# Altium PCB FMC_HPC_TO_LPC_BREAKOUT.PcbDoc (part 1 of 3) (continued)
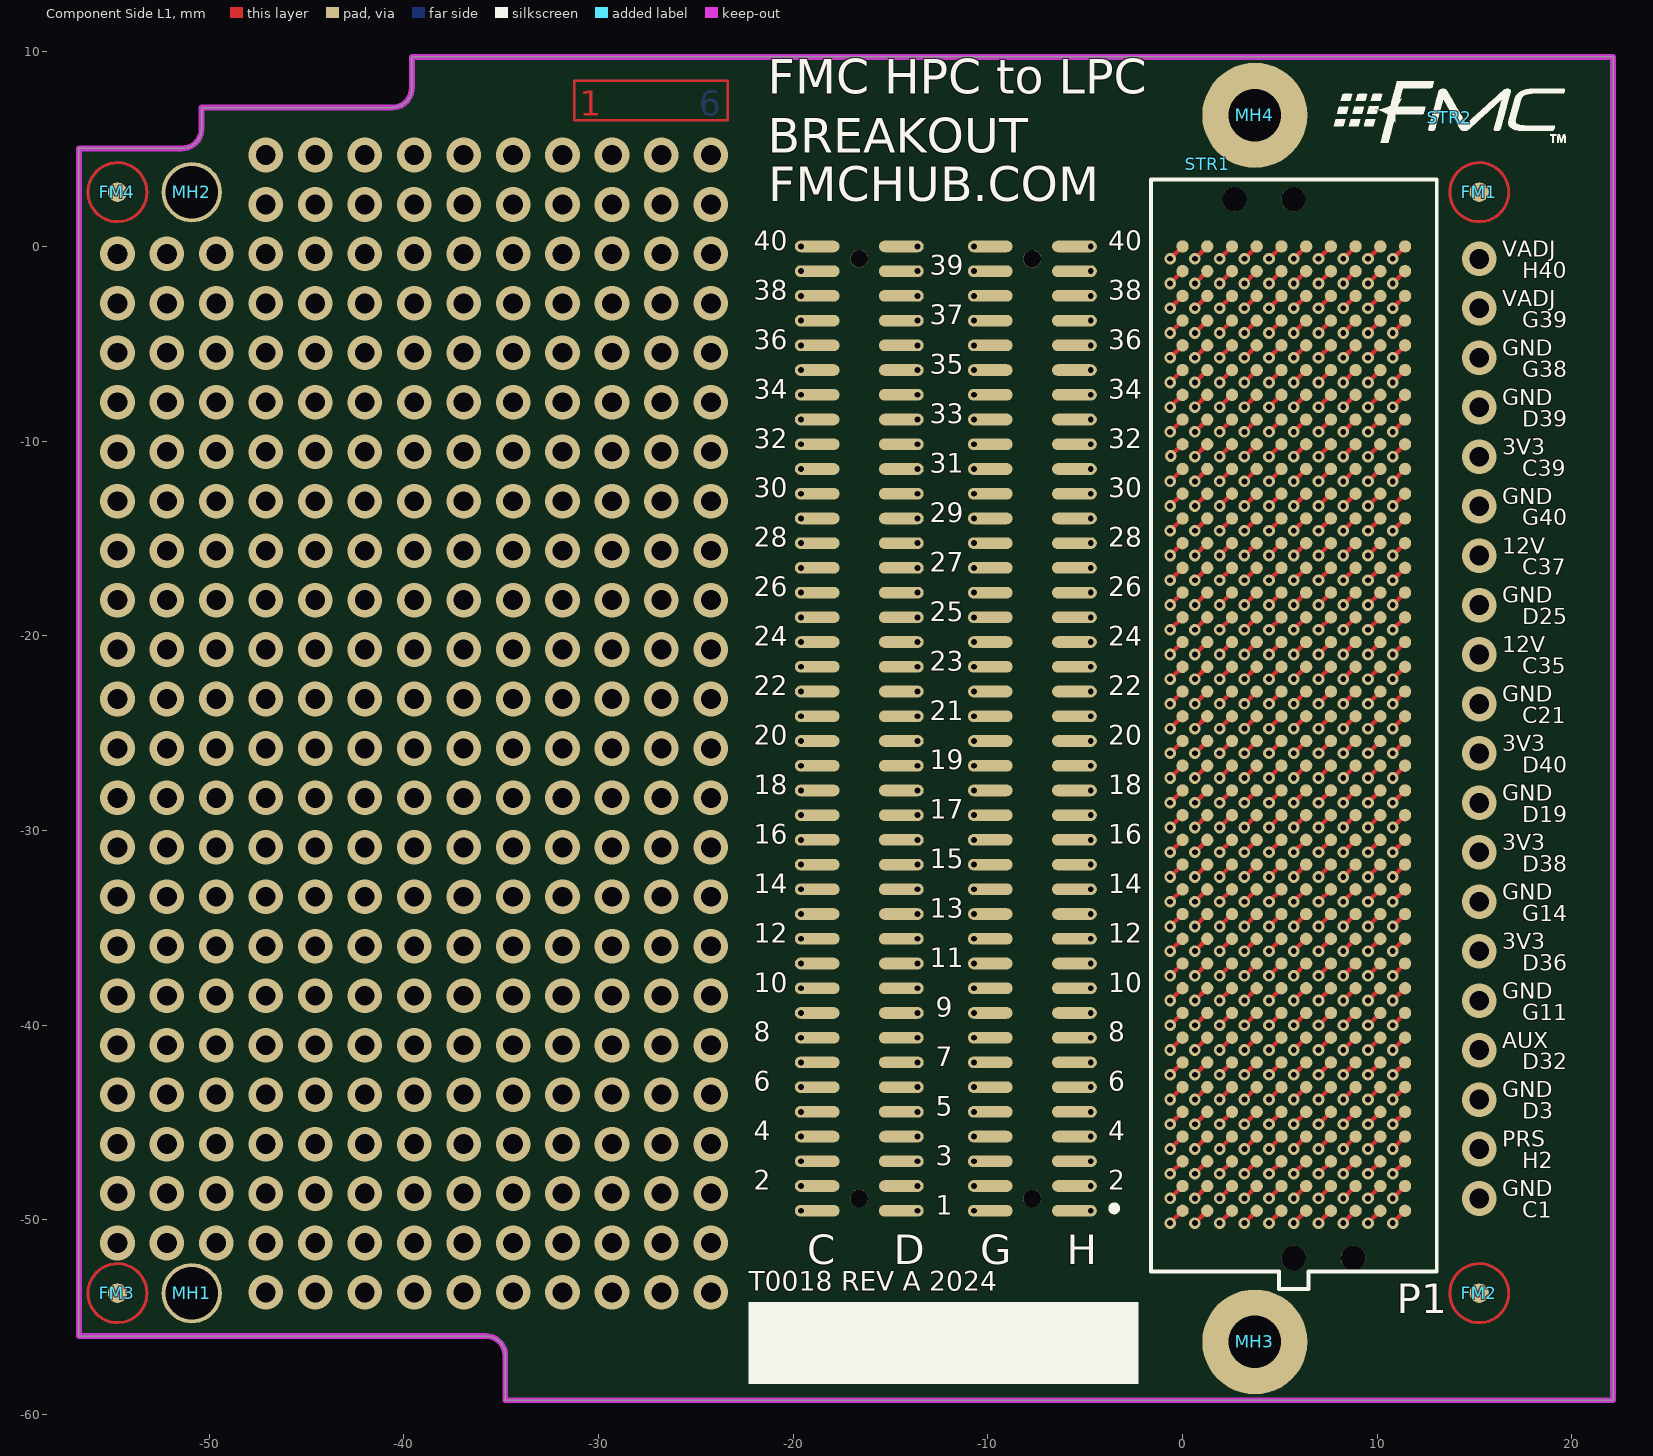
[diagram p0: Component Side L1 view]
## Components (designator, comment, footprint, x,y, rotation, side; value= is the part's Value field where it differs from the comment)
FM1 "1mm" FIDUCIAL_MARK_ROUND_RING 15.24,2.785 r0 top
FM2 "1mm" FIDUCIAL_MARK_ROUND_RING 15.24,-53.765 r0 top
FM3 "1mm" FIDUCIAL_MARK_ROUND_RING -54.705,-53.765 r0 top
FM4 "1mm" FIDUCIAL_MARK_ROUND_RING -54.705,2.785 r0 top
FM5 "1mm" FIDUCIAL_MARK_ROUND_RING 15.24,2.785 r180 bottom
FM6 "1mm" FIDUCIAL_MARK_ROUND_RING 15.24,-53.765 r180 bottom
FM7 "1mm" FIDUCIAL_MARK_ROUND_RING -54.705,-53.765 r180 bottom
FM8 "1mm" FIDUCIAL_MARK_ROUND_RING -54.705,2.785 r180 bottom
MH1 "2.7mm" "Mounting_Hole_Plated_2.7mm - d3.1mm" -50.885,-53.765 r0 top
MH2 "2.7mm" "Mounting_Hole_Plated_2.7mm - d3.1mm" -50.885,2.785 r0 top
MH3 "2.7mm" Mounting_Hole_Plated_2.7mm-COVERED 3.715,-56.265 r0 top
MH4 "2.7mm" Mounting_Hole_Plated_2.7mm-COVERED 3.715,6.735 r0 top
P1 "MC-HPC-10" ASP-134488-01 5.715,-24.765 r270 top locked
P2 "CC-HPC-10" ASP-134486-01 5.715,-24.765 r270 bottom locked
P3 "1.27mm SMT pin header" FTS-140-01-L-DV-A_NO_PASTE -16.605,-24.765 r90 bottom
P4 "1.27mm SMT pin header" FTS-140-01-L-DV-A_NO_PASTE -7.715,-24.765 r90 bottom
STR1 "IAM LOGO" "IAM LOGO - MEDIUM" 1.295,4.21 r0 top
STR2 "FMC Logo" FMC_TM_LOGO_SMALL 13.716,6.604 r0 top
STR3 "FMC Logo" FMC_TM_LOGO_SMALL 13.716,6.604 r180 bottom

## Footprints (in the part's own frame and the unit in brackets; to place one, negate y for a bottom-side part, rotate by r counter-clockwise, add the part's x,y. Pads: shape width x height; smd on the part's side, far side on the other; paste and mask are expansions set on the pad)
ASP-134486-01 [mil] "CC-HPC-10, 1.27mm PITCH SOCKET ARRAY ASSEMBLY, FEMALE, VITA 57 CONNECTOR"
  round 25 smd paste+5 mask+2.01: A1(975,-225) A2(925,-225) A3(875,-225) A4(825,-225) A5(775,-225) A6(725,-225) A7(675,-225) A8(625,-225) A9(575,-225) A10(525,-225) A11(475,-225) A12(425,-225) A13(375,-225) A14(325,-225) A15(275,-225) A16(225,-225) A17(175,-225) A18(125,-225) A19(75,-225) A20(25,-225) A21(-25,-225) A22(-75,-225) A23(-125,-225) A24(-175,-225) A25(-225,-225) A26(-275,-225) A27(-325,-225) A28(-375,-225) A29(-425,-225) A30(-475,-225) A31(-525,-225) A32(-575,-225) A33(-625,-225) A34(-675,-225) A35(-725,-225) A36(-775,-225) A37(-825,-225) A38(-875,-225) A39(-925,-225) A40(-975,-225) B1(975,-175) B2(925,-175) B3(875,-175) B4(825,-175) B5(775,-175) B6(725,-175) B7(675,-175) B8(625,-175) B9(575,-175) B10(525,-175) B11(475,-175) B12(425,-175) B13(375,-175) B14(325,-175) B15(275,-175) B16(225,-175) B17(175,-175) B18(125,-175) B19(75,-175) B20(25,-175) B21(-25,-175) B22(-75,-175) B23(-125,-175) B24(-175,-175) B25(-225,-175) B26(-275,-175) B27(-325,-175) B28(-375,-175) B29(-425,-175) B30(-475,-175) B31(-525,-175) B32(-575,-175) B33(-625,-175) B34(-675,-175) B35(-725,-175) B36(-775,-175) B37(-825,-175) B38(-875,-175) B39(-925,-175) B40(-975,-175) E1(975,-25) E2(925,-25) E3(875,-25) E4(825,-25) E5(775,-25) E6(725,-25) E7(675,-25) E8(625,-25) E9(575,-25) E10(525,-25) E11(475,-25) E12(425,-25) E13(375,-25) E14(325,-25) E15(275,-25) E16(225,-25) E17(175,-25) E18(125,-25) E19(75,-25) E20(25,-25) E21(-25,-25) E22(-75,-25) E23(-125,-25) E24(-175,-25) E25(-225,-25) E26(-275,-25) E27(-325,-25) E28(-375,-25) E29(-425,-25) E30(-475,-25) E31(-525,-25) E32(-575,-25) E33(-625,-25) E34(-675,-25) E35(-725,-25) E36(-775,-25) E37(-825,-25) E38(-875,-25) E39(-925,-25) E40(-975,-25) F1(975,25) F2(925,25) F3(875,25) F4(825,25) F5(775,25) F6(725,25) F7(675,25) F8(625,25) F9(575,25) F10(525,25) F11(475,25) F12(425,25) F13(375,25) F14(325,25) F15(275,25) F16(225,25) F17(175,25) F18(125,25) F19(75,25) F20(25,25) F21(-25,25) F22(-75,25) F23(-125,25) F24(-175,25) F25(-225,25) F26(-275,25) F27(-325,25) F28(-375,25) F29(-425,25) F30(-475,25) F31(-525,25) F32(-575,25) F33(-625,25) F34(-675,25) F35(-725,25) F36(-775,25) F37(-825,25) F38(-875,25) F39(-925,25) F40(-975,25) J1(975,175) J2(925,175) J3(875,175) J4(825,175) J5(775,175) J6(725,175) J7(675,175) J8(625,175) J9(575,175) J10(525,175) J11(475,175) J12(425,175) J13(375,175) J14(325,175) J15(275,175) J16(225,175) J17(175,175) J18(125,175) J19(75,175) J20(25,175) J21(-25,175) J22(-75,175) J23(-125,175) J24(-175,175) J25(-225,175) J26(-275,175) J27(-325,175) J28(-375,175) J29(-425,175) J30(-475,175) J31(-525,175) J32(-575,175) J33(-625,175) J34(-675,175) J35(-725,175) J36(-775,175) J37(-825,175) J38(-875,175) J39(-925,175) J40(-975,175) K1(975,225) K2(925,225) K3(875,225) K4(825,225) K5(775,225) K6(725,225) K7(675,225) K8(625,225) K9(575,225) K10(525,225) K11(475,225) K12(425,225) K13(375,225) K14(325,225) K15(275,225) K16(225,225) K17(175,225) K18(125,225) K19(75,225) K20(25,225) K21(-25,225) K22(-75,225) K23(-125,225) K24(-175,225) K25(-225,225) K26(-275,225) K27(-325,225) K28(-375,225) K29(-425,225) K30(-475,225) K31(-525,225) K32(-575,225) K33(-625,225) K34(-675,225) K35(-725,225) K36(-775,225) K37(-825,225) K38(-875,225) K39(-925,225) K40(-975,225)
  round 25 smd paste+5 mask+2: C1(975,-125) C2(925,-125) C3(875,-125) C4(825,-125) C5(775,-125) C6(725,-125) C7(675,-125) C8(625,-125) C9(575,-125) C10(525,-125) C11(475,-125) C12(425,-125) C13(375,-125) C14(325,-125) C15(275,-125) C16(225,-125) C17(175,-125) C18(125,-125) C19(75,-125) C20(25,-125) C21(-25,-125) C22(-75,-125) C23(-125,-125) C24(-175,-125) C25(-225,-125) C26(-275,-125) C27(-325,-125) C28(-375,-125) C29(-425,-125) C30(-475,-125) C31(-525,-125) C32(-575,-125) C33(-625,-125) C34(-675,-125) C35(-725,-125) C36(-775,-125) C37(-825,-125) C38(-875,-125) C39(-925,-125) C40(-975,-125) D1(975,-75) D2(925,-75) D3(875,-75) D4(825,-75) D5(775,-75) D6(725,-75) D7(675,-75) D8(625,-75) D9(575,-75) D10(525,-75) D11(475,-75) D12(425,-75) D13(375,-75) D14(325,-75) D15(275,-75) D16(225,-75) D17(175,-75) D18(125,-75) D19(75,-75) D20(25,-75) D21(-25,-75) D22(-75,-75) D23(-125,-75) D24(-175,-75) D25(-225,-75) D26(-275,-75) D27(-325,-75) D28(-375,-75) D29(-425,-75) D30(-475,-75) D31(-525,-75) D32(-575,-75) D33(-625,-75) D34(-675,-75) D35(-725,-75) D36(-775,-75) D37(-825,-75) D38(-875,-75) D39(-925,-75) D40(-975,-75) G1(975,75) G2(925,75) G3(875,75) G4(825,75) G5(775,75) G6(725,75) G7(675,75) G8(625,75) G9(575,75) G10(525,75) G11(475,75) G12(425,75) G13(375,75) G14(325,75) G15(275,75) G16(225,75) G17(175,75) G18(125,75) G19(75,75) G20(25,75) G21(-25,75) G22(-75,75) G23(-125,75) G24(-175,75) G25(-225,75) G26(-275,75) G27(-325,75) G28(-375,75) G29(-425,75) G30(-475,75) G31(-525,75) G32(-575,75) G33(-625,75) G34(-675,75) G35(-725,75) G36(-775,75) G37(-825,75) G38(-875,75) G39(-925,75) G40(-975,75) H1(975,125) H2(925,125) H3(875,125) H4(825,125) H5(775,125) H6(725,125) H7(675,125) H8(625,125) H9(575,125) H10(525,125) H11(475,125) H12(425,125) H13(375,125) H14(325,125) H15(275,125) H16(225,125) H17(175,125) H18(125,125) H19(75,125) H20(25,125) H21(-25,125) H22(-75,125) H23(-125,125) H24(-175,125) H25(-225,125) H26(-275,125) H27(-325,125) H28(-375,125) H29(-425,125) H30(-475,125) H31(-525,125) H32(-575,125) H33(-625,125) H34(-675,125) H35(-725,125) H36(-775,125) H37(-825,125) H38(-875,125) H39(-925,125) H40(-975,125)
  round 50 hole 50 unplated paste-99999 mask+0: MH1(-1070.5,0) MH2(1070.5,-120)
  silkscreen extent -1135,-260 1133,260, body extent -1131,-263 1131,260, height 259
ASP-134488-01 [mil] "MC-HPC-10, 1.27mm PITCH TERMINAL ARRAY ASSEMBLY, MALE, VITA 57 CONNECTOR"
  round 25 smd paste+5 mask+2.01: A1(975,225) A2(925,225) A3(875,225) A4(825,225) A5(775,225) A6(725,225) A7(675,225) A8(625,225) A9(575,225) A10(525,225) A11(475,225) A12(425,225) A13(375,225) A14(325,225) A15(275,225) A16(225,225) A17(175,225) A18(125,225) A19(75,225) A20(25,225) A21(-25,225) A22(-75,225) A23(-125,225) A24(-175,225) A25(-225,225) A26(-275,225) A27(-325,225) A28(-375,225) A29(-425,225) A30(-475,225) A31(-525,225) A32(-575,225) A33(-625,225) A34(-675,225) A35(-725,225) A36(-775,225) A37(-825,225) A38(-875,225) A39(-925,225) A40(-975,225) B1(975,175) B2(925,175) B3(875,175) B4(825,175) B5(775,175) B6(725,175) B7(675,175) B8(625,175) B9(575,175) B10(525,175) B11(475,175) B12(425,175) B13(375,175) B14(325,175) B15(275,175) B16(225,175) B17(175,175) B18(125,175) B19(75,175) B20(25,175) B21(-25,175) B22(-75,175) B23(-125,175) B24(-175,175) B25(-225,175) B26(-275,175) B27(-325,175) B28(-375,175) B29(-425,175) B30(-475,175) B31(-525,175) B32(-575,175) B33(-625,175) B34(-675,175) B35(-725,175) B36(-775,175) B37(-825,175) B38(-875,175) B39(-925,175) B40(-975,175) E1(975,25) E2(925,25) E3(875,25) E4(825,25) E5(775,25) E6(725,25) E7(675,25) E8(625,25) E9(575,25) E10(525,25) E11(475,25) E12(425,25) E13(375,25) E14(325,25) E15(275,25) E16(225,25) E17(175,25) E18(125,25) E19(75,25) E20(25,25) E21(-25,25) E22(-75,25) E23(-125,25) E24(-175,25) E25(-225,25) E26(-275,25) E27(-325,25) E28(-375,25) E29(-425,25) E30(-475,25) E31(-525,25) E32(-575,25) E33(-625,25) E34(-675,25) E35(-725,25) E36(-775,25) E37(-825,25) E38(-875,25) E39(-925,25) E40(-975,25) F1(975,-25) F2(925,-25) F3(875,-25) F4(825,-25) F5(775,-25) F6(725,-25) F7(675,-25) F8(625,-25) F9(575,-25) F10(525,-25) F11(475,-25) F12(425,-25) F13(375,-25) F14(325,-25) F15(275,-25) F16(225,-25) F17(175,-25) F18(125,-25) F19(75,-25) F20(25,-25) F21(-25,-25) F22(-75,-25) F23(-125,-25) F24(-175,-25) F25(-225,-25) F26(-275,-25) F27(-325,-25) F28(-375,-25) F29(-425,-25) F30(-475,-25) F31(-525,-25) F32(-575,-25) F33(-625,-25) F34(-675,-25) F35(-725,-25) F36(-775,-25) F37(-825,-25) F38(-875,-25) F39(-925,-25) F40(-975,-25) J1(975,-175) J2(925,-175) J3(875,-175) J4(825,-175) J5(775,-175) J6(725,-175) J7(675,-175) J8(625,-175) J9(575,-175) J10(525,-175) J11(475,-175) J12(425,-175) J13(375,-175) J14(325,-175) J15(275,-175) J16(225,-175) J17(175,-175) J18(125,-175) J19(75,-175) J20(25,-175) J21(-25,-175) J22(-75,-175) J23(-125,-175) J24(-175,-175) J25(-225,-175) J26(-275,-175) J27(-325,-175) J28(-375,-175) J29(-425,-175) J30(-475,-175) J31(-525,-175) J32(-575,-175) J33(-625,-175) J34(-675,-175) J35(-725,-175) J36(-775,-175) J37(-825,-175) J38(-875,-175) J39(-925,-175) J40(-975,-175) K1(975,-225) K2(925,-225) K3(875,-225) K4(825,-225) K5(775,-225) K6(725,-225) K7(675,-225) K8(625,-225) K9(575,-225) K10(525,-225) K11(475,-225) K12(425,-225) K13(375,-225) K14(325,-225) K15(275,-225) K16(225,-225) K17(175,-225) K18(125,-225) K19(75,-225) K20(25,-225) K21(-25,-225) K22(-75,-225) K23(-125,-225) K24(-175,-225) K25(-225,-225) K26(-275,-225) K27(-325,-225) K28(-375,-225) K29(-425,-225) K30(-475,-225) K31(-525,-225) K32(-575,-225) K33(-625,-225) K34(-675,-225) K35(-725,-225) K36(-775,-225) K37(-825,-225) K38(-875,-225) K39(-925,-225) K40(-975,-225)
  round 25 smd paste+5 mask+2: C1(975,125) C2(925,125) C3(875,125) C4(825,125) C5(775,125) C6(725,125) C7(675,125) C8(625,125) C9(575,125) C10(525,125) C11(475,125) C12(425,125) C13(375,125) C14(325,125) C15(275,125) C16(225,125) C17(175,125) C18(125,125) C19(75,125) C20(25,125) C21(-25,125) C22(-75,125) C23(-125,125) C24(-175,125) C25(-225,125) C26(-275,125) C27(-325,125) C28(-375,125) C29(-425,125) C30(-475,125) C31(-525,125) C32(-575,125) C33(-625,125) C34(-675,125) C35(-725,125) C36(-775,125) C37(-825,125) C38(-875,125) C39(-925,125) C40(-975,125) D1(975,75) D2(925,75) D3(875,75) D4(825,75) D5(775,75) D6(725,75) D7(675,75) D8(625,75) D9(575,75) D10(525,75) D11(475,75) D12(425,75) D13(375,75) D14(325,75) D15(275,75) D16(225,75) D17(175,75) D18(125,75) D19(75,75) D20(25,75) D21(-25,75) D22(-75,75) D23(-125,75) D24(-175,75) D25(-225,75) D26(-275,75) D27(-325,75) D28(-375,75) D29(-425,75) D30(-475,75) D31(-525,75) D32(-575,75) D33(-625,75) D34(-675,75) D35(-725,75) D36(-775,75) D37(-825,75) D38(-875,75) D39(-925,75) D40(-975,75) G1(975,-75) G2(925,-75) G3(875,-75) G4(825,-75) G5(775,-75) G6(725,-75) G7(675,-75) G8(625,-75) G9(575,-75) G10(525,-75) G11(475,-75) G12(425,-75) G13(375,-75) G14(325,-75) G15(275,-75) G16(225,-75) G17(175,-75) G18(125,-75) G19(75,-75) G20(25,-75) G21(-25,-75) G22(-75,-75) G23(-125,-75) G24(-175,-75) G25(-225,-75) G26(-275,-75) G27(-325,-75) G28(-375,-75) G29(-425,-75) G30(-475,-75) G31(-525,-75) G32(-575,-75) G33(-625,-75) G34(-675,-75) G35(-725,-75) G36(-775,-75) G37(-825,-75) G38(-875,-75) G39(-925,-75) G40(-975,-75) H1(975,-125) H2(925,-125) H3(875,-125) H4(825,-125) H5(775,-125) H6(725,-125) H7(675,-125) H8(625,-125) H9(575,-125) H10(525,-125) H11(475,-125) H12(425,-125) H13(375,-125) H14(325,-125) H15(275,-125) H16(225,-125) H17(175,-125) H18(125,-125) H19(75,-125) H20(25,-125) H21(-25,-125) H22(-75,-125) H23(-125,-125) H24(-175,-125) H25(-225,-125) H26(-275,-125) H27(-325,-125) H28(-375,-125) H29(-425,-125) H30(-475,-125) H31(-525,-125) H32(-575,-125) H33(-625,-125) H34(-675,-125) H35(-725,-125) H36(-775,-125) H37(-825,-125) H38(-875,-125) H39(-925,-125) H40(-975,-125)
  round 50 hole 50 unplated paste-99999 mask+0: MH1(1070.5,0) MH2(-1070.5,-120)
  silkscreen extent -1110,-289 1133,289, body extent -1098,-289 1133,289, height 281
FIDUCIAL_MARK_ROUND_RING [mm] "fiducial mark, round, 1 mm diameter, 3 mm keep-out and ring on top layer (6mil)"
  round 1 smd paste-1 mask+1.04: FD0(0,0)
  Component Side L1 circle w0.152: c0,0 r1.515
FMC_TM_LOGO_SMALL [mm] "VITA FMC logo, small, 12 mm x 3.2 mm"
  silkscreen extent -5.94,-1.27 5.97,1.88
FTS-140-01-L-DV-A_NO_PASTE [mm] "1.27 mm Micro Low Profile Terminal Strip, without solder paste expansion"
  oval 0.6x2.3 hole 0.3 copper offset 0,0.838 paste-2539.97: 1(-24.765,-3) 3(-23.495,-3) 5(-22.225,-3) 7(-20.955,-3) 9(-19.685,-3) 11(-18.415,-3) 13(-17.145,-3) 15(-15.875,-3) 17(-14.605,-3) 19(-13.335,-3) 21(-12.065,-3) 23(-10.795,-3) 25(-9.525,-3) 27(-8.255,-3) 29(-6.985,-3) 31(-5.715,-3) 33(-4.445,-3) 35(-3.175,-3) 37(-1.905,-3) 39(-0.635,-3) 41(0.635,-3) 43(1.905,-3) 45(3.175,-3) 47(4.445,-3) 49(5.715,-3) 51(6.985,-3) 53(8.255,-3) 55(9.525,-3) 57(10.795,-3) 59(12.065,-3) 61(13.335,-3) 63(14.605,-3) 65(15.875,-3) 67(17.145,-3) 69(18.415,-3) 71(19.685,-3) 73(20.955,-3) 75(22.225,-3) 77(23.495,-3) 79(24.765,-3)
  oval 0.6x2.3 hole 0.3 copper offset 0,-0.838 paste-2539.97: 2(-24.765,3) 4(-23.495,3) 6(-22.225,3) 8(-20.955,3) 10(-19.685,3) 12(-18.415,3) 14(-17.145,3) 16(-15.875,3) 18(-14.605,3) 20(-13.335,3) 22(-12.065,3) 24(-10.795,3) 26(-9.525,3) 28(-8.255,3) 30(-6.985,3) 32(-5.715,3) 34(-4.445,3) 36(-3.175,3) 38(-1.905,3) 40(-0.635,3) 42(0.635,3) 44(1.905,3) 46(3.175,3) 48(4.445,3) 50(5.715,3) 52(6.985,3) 54(8.255,3) 56(9.525,3) 58(10.795,3) 60(12.065,3) 62(13.335,3) 64(14.605,3) 66(15.875,3) 68(17.145,3) 70(18.415,3) 72(19.685,3) 74(20.955,3) 76(22.225,3) 78(23.495,3) 80(24.765,3)
  round 0.914 hole 0.914 unplated paste-2539.97 mask+0: 81(-24.13,0) 82(24.13,0)
  silkscreen extent -25.4,-1.65 25.4,1.65, body extent -25.4,-2.92 25.4,2.92, height 4.32
"IAM LOGO - MEDIUM" [mm] "IAM ELECTRONIC LOGO - 14.00mm x 6.75mm"
"Mounting_Hole_Plated_2.7mm - d3.1mm" [mm] "Mounting Hole, hole 2.7mm, diameter 3.1mm, Keepout R 3.2mm, plated"
  round 3.1 hole 2.7 mask+0: 0(0,0)
Mounting_Hole_Plated_2.7mm-COVERED [mm] "Mounting Hole, hole 2.7mm, diameter 5.4mm, Keepout R 2.9mm, plated, covered with solder mask"
  round 5.4 hole 2.7 mask+0.2: 0(0,0)

## Part data
FM1 FM2 FM3 FM4 FM5 FM6 FM7 FM8: library part Fiducial_Mark, "Fiducial mark, width 1mm, clearance 3mm", Clearance="3 mm", Width="1 mm"
MH1 MH2 MH3 MH4: library part Mounting_Hole_2.7mm, "Mounting hole, hole size 2.7mm", Hole radius="2.7 mm"
P1: "MC-HPC-10, FMC High-pin count connector, lead free, 400 I/Os, male, 10 mm mated stack height", Manufacturer=Samtec, Manufacturer Ref=SEAM-40-03.5-S-10-2-A-K-TR-VITA57.0, PartName=ASP-134488-01, Supplier Part Number 1=SAM8730-ND, Gender=male, Mated Stack Height="10 mm", Number I/O=400, Part=ASP-134488-01, Pin Count=High, Pitch="1.27 mm", Solder Type=Lead-Free, Supplier 1=Digi-Key, Vita PartNumber=MC-HPC-10
P2: "CC-HPC-10, FMC High-pin count connector, lead free, 400 I/Os, female, 10 mm mated stack height", Manufacturer=Samtec, Manufacturer Ref=SEAF-40-06.5-10-A, PartName=ASP-134486-01, Supplier Part Number 1=SAM8728-ND, Gender=female, Mated Stack Height="10 mm", Number I/O=400, Part=ASP-134486-01, Pin Count=High, Pitch="1.27 mm", Solder Type=Lead-Free, Supplier 1=Digi-Key, Vita PartNumber=CC-HPC-10
P3 P4: library part FTS-140-X-DV, "1.27 MM 80 PIN VERTICAL MALE HEADER", Manufacturer=Samtec, Manufacturer_2nd="Chip Quik Inc.", Part=FTS-140-01-L-DV-A, Part_2nd=HDR127MET80M-G-V-SM, Pitch="1.27 mm"
STR1: library part IAM_LOGO, "I A M E L E C T R O N I C - Logo", Manufacturer="IAM ELECTRONIC", Layer="Top Overlay", Part=Logo
STR2 STR3: library part FMC_Logo, "VITA FMC Logo"

## Via types
v1: diameter 0.6, hole 0.3, Component Side L1 to Bottom Layer L6, tented both sides, 400 vias
v2: diameter 1.778, hole 1.016, Component Side L1 to Bottom Layer L6, 323 vias

## Nets (pads, with @x,y where several pads share a name; then routed paths per layer and width w, separated by ;. In a path a pad name is that pad's centre, name@x,y a point inside that pad or via, vN(x,y) a via of type N, cw(c..) or ccw(c..) an arc to the next point about the centre after c; other vN are vias at no path point)
A1: P1.A1 P2.A1 | length 1.8
  Component Side L1 w0.215: v1(10.795,-50.165) P1.A1@11.43,-49.53
  Bottom Layer L6 w0.215: v1(10.795,-50.165) P2.A1@11.43,-49.53
A2: P1.A2 P2.A2 | length 1.8
  Component Side L1 w0.215: v1(10.795,-48.895) P1.A2@11.43,-48.26
  Bottom Layer L6 w0.215: v1(10.795,-48.895) P2.A2@11.43,-48.26
A3: P1.A3 P2.A3 | length 1.8
  Component Side L1 w0.215: v1(10.795,-47.625) P1.A3@11.43,-46.99
  Bottom Layer L6 w0.215: v1(10.795,-47.625) P2.A3@11.43,-46.99
A4: P1.A4 P2.A4 | length 1.8
  Component Side L1 w0.215: v1(10.795,-46.355) P1.A4@11.43,-45.72
  Bottom Layer L6 w0.215: v1(10.795,-46.355) P2.A4@11.43,-45.72
A5: P1.A5 P2.A5 | length 1.8
  Component Side L1 w0.215: v1(10.795,-45.085) P1.A5@11.43,-44.45
  Bottom Layer L6 w0.215: v1(10.795,-45.085) P2.A5@11.43,-44.45
A6: P1.A6 P2.A6 | length 1.8
  Component Side L1 w0.215: v1(10.795,-43.815) P1.A6@11.43,-43.18
  Bottom Layer L6 w0.215: v1(10.795,-43.815) P2.A6@11.43,-43.18
A7: P1.A7 P2.A7 | length 1.8
  Component Side L1 w0.215: v1(10.795,-42.545) P1.A7@11.43,-41.91
  Bottom Layer L6 w0.215: v1(10.795,-42.545) P2.A7@11.43,-41.91
A8: P1.A8 P2.A8 | length 1.8
  Component Side L1 w0.215: v1(10.795,-41.275) P1.A8@11.43,-40.64
  Bottom Layer L6 w0.215: v1(10.795,-41.275) P2.A8@11.43,-40.64
A9: P1.A9 P2.A9 | length 1.8
  Component Side L1 w0.215: v1(10.795,-40.005) P1.A9@11.43,-39.37
  Bottom Layer L6 w0.215: v1(10.795,-40.005) P2.A9@11.43,-39.37
A10: P1.A10 P2.A10 | length 1.8
  Component Side L1 w0.215: v1(10.795,-38.735) P1.A10@11.43,-38.1
  Bottom Layer L6 w0.215: v1(10.795,-38.735) P2.A10@11.43,-38.1
A11: P1.A11 P2.A11 | length 1.8
  Component Side L1 w0.215: v1(10.795,-37.465) P1.A11@11.43,-36.83
  Bottom Layer L6 w0.215: v1(10.795,-37.465) P2.A11@11.43,-36.83
A12: P1.A12 P2.A12 | length 1.8
  Component Side L1 w0.215: v1(10.795,-36.195) P1.A12@11.43,-35.56
  Bottom Layer L6 w0.215: v1(10.795,-36.195) P2.A12@11.43,-35.56
A13: P1.A13 P2.A13 | length 1.8
  Component Side L1 w0.215: v1(10.795,-34.925) P1.A13@11.43,-34.29
  Bottom Layer L6 w0.215: v1(10.795,-34.925) P2.A13@11.43,-34.29
A14: P1.A14 P2.A14 | length 1.8
  Component Side L1 w0.215: v1(10.795,-33.655) P1.A14@11.43,-33.02
  Bottom Layer L6 w0.215: v1(10.795,-33.655) P2.A14@11.43,-33.02
A15: P1.A15 P2.A15 | length 1.8
  Component Side L1 w0.215: v1(10.795,-32.385) P1.A15@11.43,-31.75
  Bottom Layer L6 w0.215: v1(10.795,-32.385) P2.A15@11.43,-31.75
A16: P1.A16 P2.A16 | length 1.8
  Component Side L1 w0.215: v1(10.795,-31.115) P1.A16@11.43,-30.48
  Bottom Layer L6 w0.215: v1(10.795,-31.115) P2.A16@11.43,-30.48
A17: P1.A17 P2.A17 | length 1.8
  Component Side L1 w0.215: v1(10.795,-29.845) P1.A17@11.43,-29.21
  Bottom Layer L6 w0.215: v1(10.795,-29.845) P2.A17@11.43,-29.21
A18: P1.A18 P2.A18 | length 1.8
  Component Side L1 w0.215: v1(10.795,-28.575) P1.A18@11.43,-27.94
  Bottom Layer L6 w0.215: v1(10.795,-28.575) P2.A18@11.43,-27.94
A19: P1.A19 P2.A19 | length 1.8
  Component Side L1 w0.215: v1(10.795,-27.305) P1.A19@11.43,-26.67
  Bottom Layer L6 w0.215: v1(10.795,-27.305) P2.A19@11.43,-26.67
A20: P1.A20 P2.A20 | length 1.8
  Component Side L1 w0.215: v1(10.795,-26.035) P1.A20@11.43,-25.4
  Bottom Layer L6 w0.215: v1(10.795,-26.035) P2.A20@11.43,-25.4
A21: P1.A21 P2.A21 | length 1.8
  Component Side L1 w0.215: v1(10.795,-24.765) P1.A21@11.43,-24.13
  Bottom Layer L6 w0.215: v1(10.795,-24.765) P2.A21@11.43,-24.13
A22: P1.A22 P2.A22 | length 1.8
  Component Side L1 w0.215: v1(10.795,-23.495) P1.A22@11.43,-22.86
  Bottom Layer L6 w0.215: v1(10.795,-23.495) P2.A22@11.43,-22.86
A23: P1.A23 P2.A23 | length 1.8
  Component Side L1 w0.215: v1(10.795,-22.225) P1.A23@11.43,-21.59
  Bottom Layer L6 w0.215: v1(10.795,-22.225) P2.A23@11.43,-21.59
A24: P1.A24 P2.A24 | length 1.8
  Component Side L1 w0.215: v1(10.795,-20.955) P1.A24@11.43,-20.32
  Bottom Layer L6 w0.215: v1(10.795,-20.955) P2.A24@11.43,-20.32
A25: P1.A25 P2.A25 | length 1.8
  Component Side L1 w0.215: v1(10.795,-19.685) P1.A25@11.43,-19.05
  Bottom Layer L6 w0.215: v1(10.795,-19.685) P2.A25@11.43,-19.05
A26: P1.A26 P2.A26 | length 1.8
  Component Side L1 w0.215: v1(10.795,-18.415) P1.A26@11.43,-17.78
  Bottom Layer L6 w0.215: v1(10.795,-18.415) P2.A26@11.43,-17.78
A27: P1.A27 P2.A27 | length 1.8
  Component Side L1 w0.215: v1(10.795,-17.145) P1.A27@11.43,-16.51
  Bottom Layer L6 w0.215: v1(10.795,-17.145) P2.A27@11.43,-16.51
A28: P1.A28 P2.A28 | length 1.8
  Component Side L1 w0.215: v1(10.795,-15.875) P1.A28@11.43,-15.24
  Bottom Layer L6 w0.215: v1(10.795,-15.875) P2.A28@11.43,-15.24
A29: P1.A29 P2.A29 | length 1.8
  Component Side L1 w0.215: v1(10.795,-14.605) P1.A29@11.43,-13.97
  Bottom Layer L6 w0.215: v1(10.795,-14.605) P2.A29@11.43,-13.97
A30: P1.A30 P2.A30 | length 1.8
  Component Side L1 w0.215: v1(10.795,-13.335) P1.A30@11.43,-12.7
  Bottom Layer L6 w0.215: v1(10.795,-13.335) P2.A30@11.43,-12.7
A31: P1.A31 P2.A31 | length 1.8
  Component Side L1 w0.215: v1(10.795,-12.065) P1.A31@11.43,-11.43
  Bottom Layer L6 w0.215: v1(10.795,-12.065) P2.A31@11.43,-11.43
A32: P1.A32 P2.A32 | length 1.8
  Component Side L1 w0.215: v1(10.795,-10.795) P1.A32@11.43,-10.16
  Bottom Layer L6 w0.215: v1(10.795,-10.795) P2.A32@11.43,-10.16
A33: P1.A33 P2.A33 | length 1.8
  Component Side L1 w0.215: v1(10.795,-9.525) P1.A33@11.43,-8.89
  Bottom Layer L6 w0.215: v1(10.795,-9.525) P2.A33@11.43,-8.89
A34: P1.A34 P2.A34 | length 1.8
  Component Side L1 w0.215: v1(10.795,-8.255) P1.A34@11.43,-7.62
  Bottom Layer L6 w0.215: v1(10.795,-8.255) P2.A34@11.43,-7.62
A35: P1.A35 P2.A35 | length 1.8
  Component Side L1 w0.215: v1(10.795,-6.985) P1.A35@11.43,-6.35
  Bottom Layer L6 w0.215: v1(10.795,-6.985) P2.A35@11.43,-6.35
A36: P1.A36 P2.A36 | length 1.8
  Component Side L1 w0.215: v1(10.795,-5.715) P1.A36@11.43,-5.08
  Bottom Layer L6 w0.215: v1(10.795,-5.715) P2.A36@11.43,-5.08
A37: P1.A37 P2.A37 | length 1.8
  Component Side L1 w0.215: v1(10.795,-4.445) P1.A37@11.43,-3.81
  Bottom Layer L6 w0.215: v1(10.795,-4.445) P2.A37@11.43,-3.81
A38: P1.A38 P2.A38 | length 1.8
  Component Side L1 w0.215: v1(10.795,-3.175) P1.A38@11.43,-2.54
  Bottom Layer L6 w0.215: v1(10.795,-3.175) P2.A38@11.43,-2.54
A39: P1.A39 P2.A39 | length 1.8
  Component Side L1 w0.215: v1(10.795,-1.905) P1.A39@11.43,-1.27
  Bottom Layer L6 w0.215: v1(10.795,-1.905) P2.A39@11.43,-1.27
A40: P1.A40 P2.A40 | length 1.8
  Component Side L1 w0.215: v1(10.795,-0.635) P1.A40@11.43,0
  Bottom Layer L6 w0.215: v1(10.795,-0.635) P2.A40@11.43,0
B1: P1.B1 P2.B1 | length 1.8
  Component Side L1 w0.215: v1(9.525,-50.165) P1.B1@10.16,-49.53
  Bottom Layer L6 w0.215: v1(9.525,-50.165) P2.B1@10.16,-49.53
B2: P1.B2 P2.B2 | length 1.8
  Component Side L1 w0.215: v1(9.525,-48.895) P1.B2@10.16,-48.26
  Bottom Layer L6 w0.215: v1(9.525,-48.895) P2.B2@10.16,-48.26
B3: P1.B3 P2.B3 | length 1.8
  Component Side L1 w0.215: v1(9.525,-47.625) P1.B3@10.16,-46.99
  Bottom Layer L6 w0.215: v1(9.525,-47.625) P2.B3@10.16,-46.99
B4: P1.B4 P2.B4 | length 1.8
  Component Side L1 w0.215: v1(9.525,-46.355) P1.B4@10.16,-45.72
  Bottom Layer L6 w0.215: v1(9.525,-46.355) P2.B4@10.16,-45.72
B5: P1.B5 P2.B5 | length 1.8
  Component Side L1 w0.215: v1(9.525,-45.085) P1.B5@10.16,-44.45
  Bottom Layer L6 w0.215: v1(9.525,-45.085) P2.B5@10.16,-44.45
B6: P1.B6 P2.B6 | length 1.8
  Component Side L1 w0.215: v1(9.525,-43.815) P1.B6@10.16,-43.18
  Bottom Layer L6 w0.215: v1(9.525,-43.815) P2.B6@10.16,-43.18
B7: P1.B7 P2.B7 | length 1.8
  Component Side L1 w0.215: v1(9.525,-42.545) P1.B7@10.16,-41.91
  Bottom Layer L6 w0.215: v1(9.525,-42.545) P2.B7@10.16,-41.91
B8: P1.B8 P2.B8 | length 1.8
  Component Side L1 w0.215: v1(9.525,-41.275) P1.B8@10.16,-40.64
  Bottom Layer L6 w0.215: v1(9.525,-41.275) P2.B8@10.16,-40.64
B9: P1.B9 P2.B9 | length 1.8
  Component Side L1 w0.215: v1(9.525,-40.005) P1.B9@10.16,-39.37
  Bottom Layer L6 w0.215: v1(9.525,-40.005) P2.B9@10.16,-39.37
B10: P1.B10 P2.B10 | length 1.8
  Component Side L1 w0.215: v1(9.525,-38.735) P1.B10@10.16,-38.1
  Bottom Layer L6 w0.215: v1(9.525,-38.735) P2.B10@10.16,-38.1
B11: P1.B11 P2.B11 | length 1.8
  Component Side L1 w0.215: v1(9.525,-37.465) P1.B11@10.16,-36.83
  Bottom Layer L6 w0.215: v1(9.525,-37.465) P2.B11@10.16,-36.83
B12: P1.B12 P2.B12 | length 1.8
  Component Side L1 w0.215: v1(9.525,-36.195) P1.B12@10.16,-35.56
  Bottom Layer L6 w0.215: v1(9.525,-36.195) P2.B12@10.16,-35.56
B13: P1.B13 P2.B13 | length 1.8
  Component Side L1 w0.215: v1(9.525,-34.925) P1.B13@10.16,-34.29
  Bottom Layer L6 w0.215: v1(9.525,-34.925) P2.B13@10.16,-34.29
B14: P1.B14 P2.B14 | length 1.8
  Component Side L1 w0.215: v1(9.525,-33.655) P1.B14@10.16,-33.02
  Bottom Layer L6 w0.215: v1(9.525,-33.655) P2.B14@10.16,-33.02
B15: P1.B15 P2.B15 | length 1.8
  Component Side L1 w0.215: v1(9.525,-32.385) P1.B15@10.16,-31.75
  Bottom Layer L6 w0.215: v1(9.525,-32.385) P2.B15@10.16,-31.75
B16: P1.B16 P2.B16 | length 1.8
  Component Side L1 w0.215: v1(9.525,-31.115) P1.B16@10.16,-30.48
  Bottom Layer L6 w0.215: v1(9.525,-31.115) P2.B16@10.16,-30.48
B17: P1.B17 P2.B17 | length 1.8
  Component Side L1 w0.215: v1(9.525,-29.845) P1.B17@10.16,-29.21
  Bottom Layer L6 w0.215: v1(9.525,-29.845) P2.B17@10.16,-29.21
B18: P1.B18 P2.B18 | length 1.8
  Component Side L1 w0.215: v1(9.525,-28.575) P1.B18@10.16,-27.94
  Bottom Layer L6 w0.215: v1(9.525,-28.575) P2.B18@10.16,-27.94
B19: P1.B19 P2.B19 | length 1.8
  Component Side L1 w0.215: v1(9.525,-27.305) P1.B19@10.16,-26.67
  Bottom Layer L6 w0.215: v1(9.525,-27.305) P2.B19@10.16,-26.67
B20: P1.B20 P2.B20 | length 1.8
  Component Side L1 w0.215: v1(9.525,-26.035) P1.B20@10.16,-25.4
  Bottom Layer L6 w0.215: v1(9.525,-26.035) P2.B20@10.16,-25.4
B21: P1.B21 P2.B21 | length 1.8
  Component Side L1 w0.215: v1(9.525,-24.765) P1.B21@10.16,-24.13
  Bottom Layer L6 w0.215: v1(9.525,-24.765) P2.B21@10.16,-24.13
B22: P1.B22 P2.B22 | length 1.8
  Component Side L1 w0.215: v1(9.525,-23.495) P1.B22@10.16,-22.86
  Bottom Layer L6 w0.215: v1(9.525,-23.495) P2.B22@10.16,-22.86
B23: P1.B23 P2.B23 | length 1.8
  Component Side L1 w0.215: v1(9.525,-22.225) P1.B23@10.16,-21.59
  Bottom Layer L6 w0.215: v1(9.525,-22.225) P2.B23@10.16,-21.59
B24: P1.B24 P2.B24 | length 1.8
  Component Side L1 w0.215: v1(9.525,-20.955) P1.B24@10.16,-20.32
  Bottom Layer L6 w0.215: v1(9.525,-20.955) P2.B24@10.16,-20.32
B25: P1.B25 P2.B25 | length 1.8
  Component Side L1 w0.215: v1(9.525,-19.685) P1.B25@10.16,-19.05
  Bottom Layer L6 w0.215: v1(9.525,-19.685) P2.B25@10.16,-19.05
B26: P1.B26 P2.B26 | length 1.8
  Component Side L1 w0.215: v1(9.525,-18.415) P1.B26@10.16,-17.78
  Bottom Layer L6 w0.215: v1(9.525,-18.415) P2.B26@10.16,-17.78
B27: P1.B27 P2.B27 | length 1.8
  Component Side L1 w0.215: v1(9.525,-17.145) P1.B27@10.16,-16.51
  Bottom Layer L6 w0.215: v1(9.525,-17.145) P2.B27@10.16,-16.51
B28: P1.B28 P2.B28 | length 1.8
  Component Side L1 w0.215: v1(9.525,-15.875) P1.B28@10.16,-15.24
  Bottom Layer L6 w0.215: v1(9.525,-15.875) P2.B28@10.16,-15.24
B29: P1.B29 P2.B29 | length 1.8
  Component Side L1 w0.215: v1(9.525,-14.605) P1.B29@10.16,-13.97
  Bottom Layer L6 w0.215: v1(9.525,-14.605) P2.B29@10.16,-13.97
B30: P1.B30 P2.B30 | length 1.8
  Component Side L1 w0.215: v1(9.525,-13.335) P1.B30@10.16,-12.7
  Bottom Layer L6 w0.215: v1(9.525,-13.335) P2.B30@10.16,-12.7
B31: P1.B31 P2.B31 | length 1.8
  Component Side L1 w0.215: v1(9.525,-12.065) P1.B31@10.16,-11.43
  Bottom Layer L6 w0.215: v1(9.525,-12.065) P2.B31@10.16,-11.43
B32: P1.B32 P2.B32 | length 1.8
  Component Side L1 w0.215: v1(9.525,-10.795) P1.B32@10.16,-10.16
  Bottom Layer L6 w0.215: v1(9.525,-10.795) P2.B32@10.16,-10.16
B33: P1.B33 P2.B33 | length 1.8
  Component Side L1 w0.215: v1(9.525,-9.525) P1.B33@10.16,-8.89
  Bottom Layer L6 w0.215: v1(9.525,-9.525) P2.B33@10.16,-8.89
B34: P1.B34 P2.B34 | length 1.8
  Component Side L1 w0.215: v1(9.525,-8.255) P1.B34@10.16,-7.62
  Bottom Layer L6 w0.215: v1(9.525,-8.255) P2.B34@10.16,-7.62
B35: P1.B35 P2.B35 | length 1.8
  Component Side L1 w0.215: v1(9.525,-6.985) P1.B35@10.16,-6.35
  Bottom Layer L6 w0.215: v1(9.525,-6.985) P2.B35@10.16,-6.35
B36: P1.B36 P2.B36 | length 1.8
  Component Side L1 w0.215: v1(9.525,-5.715) P1.B36@10.16,-5.08
  Bottom Layer L6 w0.215: v1(9.525,-5.715) P2.B36@10.16,-5.08
B37: P1.B37 P2.B37 | length 1.8
  Component Side L1 w0.215: v1(9.525,-4.445) P1.B37@10.16,-3.81
  Bottom Layer L6 w0.215: v1(9.525,-4.445) P2.B37@10.16,-3.81
B38: P1.B38 P2.B38 | length 1.8
  Component Side L1 w0.215: v1(9.525,-3.175) P1.B38@10.16,-2.54
  Bottom Layer L6 w0.215: v1(9.525,-3.175) P2.B38@10.16,-2.54
B39: P1.B39 P2.B39 | length 1.8
  Component Side L1 w0.215: v1(9.525,-1.905) P1.B39@10.16,-1.27
  Bottom Layer L6 w0.215: v1(9.525,-1.905) P2.B39@10.16,-1.27
B40: P1.B40 P2.B40 | length 1.8
  Component Side L1 w0.215: v1(9.525,-0.635) P1.B40@10.16,0
  Bottom Layer L6 w0.215: v1(9.525,-0.635) P2.B40@10.16,0
C1: P1.C1 P2.C1 P3.1 | length 38.5
  Component Side L1 w0.215: v1(8.255,-50.165) P1.C1@8.89,-49.53
  Layer 5 w0.127: P3.1@-19.605,-49.53 -17.024,-49.53 -17.011,-49.543 -16,-49.543 -15.357,-48.9 -8.963,-48.9 -8.32,-49.543 -7.11,-49.543 -6.467,-48.9 -1.905,-48.9 -1.262,-49.543 7.633,-49.543 v1(8.255,-50.165)
  Layer 5 w0.35: v1(8.255,-50.165) 8.89,-49.53 12.065,-49.53 12.695,-48.9 v2(15.24,-48.9)
  Bottom Layer L6 w0.215: v1(8.255,-50.165) P2.C1@8.89,-49.53
C2: P1.C2 P2.C2 P3.3 | length 30.4
  Component Side L1 w0.215: v1(8.255,-48.895) P1.C2@8.89,-48.26
  Layer 5 w0.127: P3.3@-19.605,-48.26 -16.886,-48.26 -16.251,-47.625 -1.905,-47.625 -1.27,-48.26 7.62,-48.26 v1(8.255,-48.895)
  Bottom Layer L6 w0.215: v1(8.255,-48.895) P2.C2@8.89,-48.26
C3: P1.C3 P2.C3 P3.5 | length 30.4
  Component Side L1 w0.215: v1(8.255,-47.625) P1.C3@8.89,-46.99
  Layer 5 w0.127: P3.5@-19.605,-46.99 -17.03,-46.99 -16.395,-46.355 -1.905,-46.355 -1.27,-46.99 7.62,-46.99 v1(8.255,-47.625)
  Bottom Layer L6 w0.215: v1(8.255,-47.625) P2.C3@8.89,-46.99
C4: P1.C4 P2.C4 P3.7 | length 30.4
  Component Side L1 w0.215: v1(8.255,-46.355) P1.C4@8.89,-45.72
  Layer 5 w0.127: P3.7@-19.605,-45.72 -17.03,-45.72 -16.395,-45.085 -1.905,-45.085 -1.27,-45.72 7.62,-45.72 v1(8.255,-46.355)
  Bottom Layer L6 w0.215: v1(8.255,-46.355) P2.C4@8.89,-45.72
C5: P1.C5 P2.C5 P3.9 | length 30.4
  Component Side L1 w0.215: v1(8.255,-45.085) P1.C5@8.89,-44.45
  Layer 5 w0.127: P3.9@-19.605,-44.45 -17.03,-44.45 -16.395,-43.815 -1.905,-43.815 -1.27,-44.45 7.62,-44.45 v1(8.255,-45.085)
  Bottom Layer L6 w0.215: v1(8.255,-45.085) P2.C5@8.89,-44.45
C6: P1.C6 P2.C6 P3.11 | length 30.4
  Component Side L1 w0.215: v1(8.255,-43.815) P1.C6@8.89,-43.18
  Layer 5 w0.127: P3.11@-19.605,-43.18 -17.03,-43.18 -16.395,-42.545 -1.905,-42.545 -1.243,-43.207 7.647,-43.207 v1(8.255,-43.815)
  Bottom Layer L6 w0.215: v1(8.255,-43.815) P2.C6@8.89,-43.18
C7: P1.C7 P2.C7 P3.13 | length 30.4
  Component Side L1 w0.215: v1(8.255,-42.545) P1.C7@8.89,-41.91
  Layer 5 w0.127: P3.13@-19.605,-41.91 -17.035,-41.91 -16.4,-41.275 -1.905,-41.275 -1.243,-41.937 7.647,-41.937 v1(8.255,-42.545)
  Bottom Layer L6 w0.215: v1(8.255,-42.545) P2.C7@8.89,-41.91
C8: P1.C8 P2.C8 P3.15 | length 30.4
  Component Side L1 w0.215: v1(8.255,-41.275) P1.C8@8.89,-40.64
  Layer 5 w0.127: P3.15@-19.605,-40.64 -17.03,-40.64 -16.395,-40.005 -1.905,-40.005 -1.243,-40.667 7.647,-40.667 v1(8.255,-41.275)
  Bottom Layer L6 w0.215: v1(8.255,-41.275) P2.C8@8.89,-40.64
C9: P1.C9 P2.C9 P3.17 | length 30.4
  Component Side L1 w0.215: v1(8.255,-40.005) P1.C9@8.89,-39.37
  Layer 5 w0.127: P3.17@-19.605,-39.37 -17.03,-39.37 -16.395,-38.735 -1.905,-38.735 -1.243,-39.397 7.647,-39.397 v1(8.255,-40.005)
  Bottom Layer L6 w0.215: v1(8.255,-40.005) P2.C9@8.89,-39.37
C10: P1.C10 P2.C10 P3.19 | length 30.4
  Component Side L1 w0.215: v1(8.255,-38.735) P1.C10@8.89,-38.1
  Layer 5 w0.127: P3.19@-19.605,-38.1 -17.035,-38.1 -16.4,-37.465 -1.905,-37.465 -1.243,-38.127 7.647,-38.127 v1(8.255,-38.735)
  Bottom Layer L6 w0.215: v1(8.255,-38.735) P2.C10@8.89,-38.1
C11: P1.C11 P2.C11 P3.21 | length 30.4
  Component Side L1 w0.215: v1(8.255,-37.465) P1.C11@8.89,-36.83
  Layer 5 w0.127: P3.21@-19.605,-36.83 -17.03,-36.83 -16.395,-36.195 -1.91,-36.195 -1.275,-36.83 7.62,-36.83 v1(8.255,-37.465)
  Bottom Layer L6 w0.215: v1(8.255,-37.465) P2.C11@8.89,-36.83
C12: P1.C12 P2.C12 P3.23 | length 30.4
  Component Side L1 w0.215: v1(8.255,-36.195) P1.C12@8.89,-35.56
  Layer 5 w0.127: P3.23@-19.605,-35.56 -17.035,-35.56 -16.4,-34.925 -1.905,-34.925 -1.243,-35.587 7.647,-35.587 v1(8.255,-36.195)
  Bottom Layer L6 w0.215: v1(8.255,-36.195) P2.C12@8.89,-35.56
C13: P1.C13 P2.C13 P3.25 | length 30.4
  Component Side L1 w0.215: v1(8.255,-34.925) P1.C13@8.89,-34.29
  Layer 5 w0.127: P3.25@-19.605,-34.29 -17.03,-34.29 -16.395,-33.655 -1.905,-33.655 -1.27,-34.29 7.62,-34.29 v1(8.255,-34.925)
  Bottom Layer L6 w0.215: v1(8.255,-34.925) P2.C13@8.89,-34.29
C14: P1.C14 P2.C14 P3.27 | length 30.4
  Component Side L1 w0.215: v1(8.255,-33.655) P1.C14@8.89,-33.02
  Layer 5 w0.127: P3.27@-19.605,-33.02 -17.035,-33.02 -16.4,-32.385 -1.905,-32.385 -1.27,-33.02 7.62,-33.02 v1(8.255,-33.655)
  Bottom Layer L6 w0.215: v1(8.255,-33.655) P2.C14@8.89,-33.02
C15: P1.C15 P2.C15 P3.29 | length 30.4
  Component Side L1 w0.215: v1(8.255,-32.385) P1.C15@8.89,-31.75
  Layer 5 w0.127: P3.29@-19.605,-31.75 -17.025,-31.75 -16.395,-31.12 -1.905,-31.12 -1.275,-31.75 7.62,-31.75 v1(8.255,-32.385)
  Bottom Layer L6 w0.215: v1(8.255,-32.385) P2.C15@8.89,-31.75
C16: P1.C16 P2.C16 P3.31 | length 30.4
  Component Side L1 w0.215: v1(8.255,-31.115) P1.C16@8.89,-30.48
  Layer 5 w0.127: P3.31@-19.605,-30.48 -17.035,-30.48 -16.4,-29.845 -1.905,-29.845 -1.27,-30.48 7.62,-30.48 v1(8.255,-31.115)
  Bottom Layer L6 w0.215: v1(8.255,-31.115) P2.C16@8.89,-30.48
C17: P1.C17 P2.C17 P3.33 | length 30.4
  Component Side L1 w0.215: v1(8.255,-29.845) P1.C17@8.89,-29.21
  Layer 5 w0.127: P3.33@-19.605,-29.21 -17.025,-29.21 -16.395,-28.58 -1.905,-28.58 -1.275,-29.21 7.62,-29.21 v1(8.255,-29.845)
  Bottom Layer L6 w0.215: v1(8.255,-29.845) P2.C17@8.89,-29.21
C18: P1.C18 P2.C18 P3.35 | length 30.4
  Component Side L1 w0.215: v1(8.255,-28.575) P1.C18@8.89,-27.94
  Layer 5 w0.127: P3.35@-19.605,-27.94 -17.035,-27.94 -16.4,-27.305 -1.905,-27.305 -1.27,-27.94 7.62,-27.94 v1(8.255,-28.575)
  Bottom Layer L6 w0.215: v1(8.255,-28.575) P2.C18@8.89,-27.94
C19: P1.C19 P2.C19 P3.37 | length 30.4
  Component Side L1 w0.215: v1(8.255,-27.305) P1.C19@8.89,-26.67
  Layer 5 w0.127: P3.37@-19.605,-26.67 -17.025,-26.67 -16.395,-26.04 -1.9,-26.04 -1.27,-26.67 7.62,-26.67 v1(8.255,-27.305)
  Bottom Layer L6 w0.215: v1(8.255,-27.305) P2.C19@8.89,-26.67
C20: P1.C20 P2.C20 P3.39 | length 30.4
  Component Side L1 w0.215: v1(8.255,-26.035) P1.C20@8.89,-25.4
  Layer 5 w0.127: P3.39@-19.605,-25.4 -17.03,-25.4 -16.395,-24.765 -1.905,-24.765 -1.27,-25.4 7.62,-25.4 v1(8.255,-26.035)
  Bottom Layer L6 w0.215: v1(8.255,-26.035) P2.C20@8.89,-25.4
C21: P1.C21 P2.C21 P3.41 | length 38
  Component Side L1 w0.215: v1(8.255,-24.765) P1.C21@8.89,-24.13
  Layer 5 w0.127: P3.41@-19.605,-24.13 -17.03,-24.13 -16.395,-23.495 -1.91,-23.495 -1.275,-24.13 7.62,-24.13 v1(8.255,-24.765)
  Layer 5 w0.35: v1(8.255,-24.765) 8.863,-24.157 12.038,-24.157 12.695,-23.5 v2(15.24,-23.5)
  Bottom Layer L6 w0.215: v1(8.255,-24.765) P2.C21@8.89,-24.13
C22: P1.C22 P2.C22 P3.43 | length 30.4
  Component Side L1 w0.215: v1(8.255,-23.495) P1.C22@8.89,-22.86
  Layer 5 w0.127: P3.43@-19.605,-22.86 -17.035,-22.86 -16.4,-22.225 -1.905,-22.225 -1.27,-22.86 7.62,-22.86 v1(8.255,-23.495)
  Bottom Layer L6 w0.215: v1(8.255,-23.495) P2.C22@8.89,-22.86
C23: P1.C23 P2.C23 P3.45 | length 30.4
  Component Side L1 w0.215: v1(8.255,-22.225) P1.C23@8.89,-21.59
  Layer 5 w0.127: P3.45@-19.605,-21.59 -17.025,-21.59 -16.395,-20.96 -1.9,-20.96 -1.243,-21.617 7.647,-21.617 v1(8.255,-22.225)
  Bottom Layer L6 w0.215: v1(8.255,-22.225) P2.C23@8.89,-21.59
C24: P1.C24 P2.C24 P3.47 | length 30.4
  Component Side L1 w0.215: v1(8.255,-20.955) P1.C24@8.89,-20.32
  Layer 5 w0.127: P3.47@-19.605,-20.32 -17.03,-20.32 -16.395,-19.685 -1.905,-19.685 -1.243,-20.347 7.647,-20.347 v1(8.255,-20.955)
  Bottom Layer L6 w0.215: v1(8.255,-20.955) P2.C24@8.89,-20.32
C25: P1.C25 P2.C25 P3.49 | length 30.4
  Component Side L1 w0.215: v1(8.255,-19.685) P1.C25@8.89,-19.05
  Layer 5 w0.127: P3.49@-19.605,-19.05 -17.025,-19.05 -16.395,-18.42 -1.905,-18.42 -1.248,-19.077 7.647,-19.077 v1(8.255,-19.685)
  Bottom Layer L6 w0.215: v1(8.255,-19.685) P2.C25@8.89,-19.05
C26: P1.C26 P2.C26 P3.51 | length 30.4
  Component Side L1 w0.215: v1(8.255,-18.415) P1.C26@8.89,-17.78
  Layer 5 w0.127: P3.51@-19.605,-17.78 -17.03,-17.78 -16.395,-17.145 -1.905,-17.145 -1.243,-17.807 7.647,-17.807 v1(8.255,-18.415)
  Bottom Layer L6 w0.215: v1(8.255,-18.415) P2.C26@8.89,-17.78
C27: P1.C27 P2.C27 P3.53 | length 30.4
  Component Side L1 w0.215: v1(8.255,-17.145) P1.C27@8.89,-16.51
  Layer 5 w0.127: P3.53@-19.605,-16.51 -17.03,-16.51 -16.4,-15.88 -1.905,-15.88 -1.248,-16.537 7.647,-16.537 v1(8.255,-17.145)
  Bottom Layer L6 w0.215: v1(8.255,-17.145) P2.C27@8.89,-16.51
C28: P1.C28 P2.C28 P3.55 | length 30.4
  Component Side L1 w0.215: v1(8.255,-15.875) P1.C28@8.89,-15.24
  Layer 5 w0.127: P3.55@-19.605,-15.24 -17.03,-15.24 -16.395,-14.605 -1.905,-14.605 -1.243,-15.267 7.647,-15.267 v1(8.255,-15.875)
  Bottom Layer L6 w0.215: v1(8.255,-15.875) P2.C28@8.89,-15.24
C29: P1.C29 P2.C29 P3.57 | length 30.4
  Component Side L1 w0.215: v1(8.255,-14.605) P1.C29@8.89,-13.97
  Layer 5 w0.127: P3.57@-19.605,-13.97 -17.025,-13.97 -16.395,-13.34 -1.905,-13.34 -1.248,-13.997 7.647,-13.997 v1(8.255,-14.605)
  Bottom Layer L6 w0.215: v1(8.255,-14.605) P2.C29@8.89,-13.97
C30: P1.C30 P2.C30 P3.59 | length 30.4
  Component Side L1 w0.215: v1(8.255,-13.335) P1.C30@8.89,-12.7
  Layer 5 w0.127: P3.59@-19.605,-12.7 -17.03,-12.7 -16.395,-12.065 -1.905,-12.065 -1.243,-12.727 7.647,-12.727 v1(8.255,-13.335)
  Bottom Layer L6 w0.215: v1(8.255,-13.335) P2.C30@8.89,-12.7
C31: P1.C31 P2.C31 P3.61 | length 30.4
  Component Side L1 w0.215: v1(8.255,-12.065) P1.C31@8.89,-11.43
  Layer 5 w0.127: P3.61@-19.605,-11.43 -17.025,-11.43 -16.39,-10.795 -1.905,-10.795 -1.243,-11.457 7.647,-11.457 v1(8.255,-12.065)
  Bottom Layer L6 w0.215: v1(8.255,-12.065) P2.C31@8.89,-11.43
C32: P1.C32 P2.C32 P3.63 | length 30.4
  Component Side L1 w0.215: v1(8.255,-10.795) P1.C32@8.89,-10.16
  Layer 5 w0.127: P3.63@-19.605,-10.16 -17.03,-10.16 -16.395,-9.525 -1.905,-9.525 -1.243,-10.187 7.647,-10.187 v1(8.255,-10.795)
  Bottom Layer L6 w0.215: v1(8.255,-10.795) P2.C32@8.89,-10.16
C33: P1.C33 P2.C33 P3.65 | length 30.4
  Component Side L1 w0.215: v1(8.255,-9.525) P1.C33@8.89,-8.89
  Layer 5 w0.127: P3.65@-19.605,-8.89 -17.025,-8.89 -16.395,-8.26 -1.9,-8.26 -1.27,-8.89 7.62,-8.89 v1(8.255,-9.525)
  Bottom Layer L6 w0.215: v1(8.255,-9.525) P2.C33@8.89,-8.89
C34: P1.C34 P2.C34 P3.67 | length 30.4
  Component Side L1 w0.215: v1(8.255,-8.255) P1.C34@8.89,-7.62
  Layer 5 w0.127: P3.67@-19.605,-7.62 -17.03,-7.62 -16.395,-6.985 -1.905,-6.985 -1.27,-7.62 7.62,-7.62 v1(8.255,-8.255)
  Bottom Layer L6 w0.215: v1(8.255,-8.255) P2.C34@8.89,-7.62